# Allegro board com_v1_p3.brd (continued)
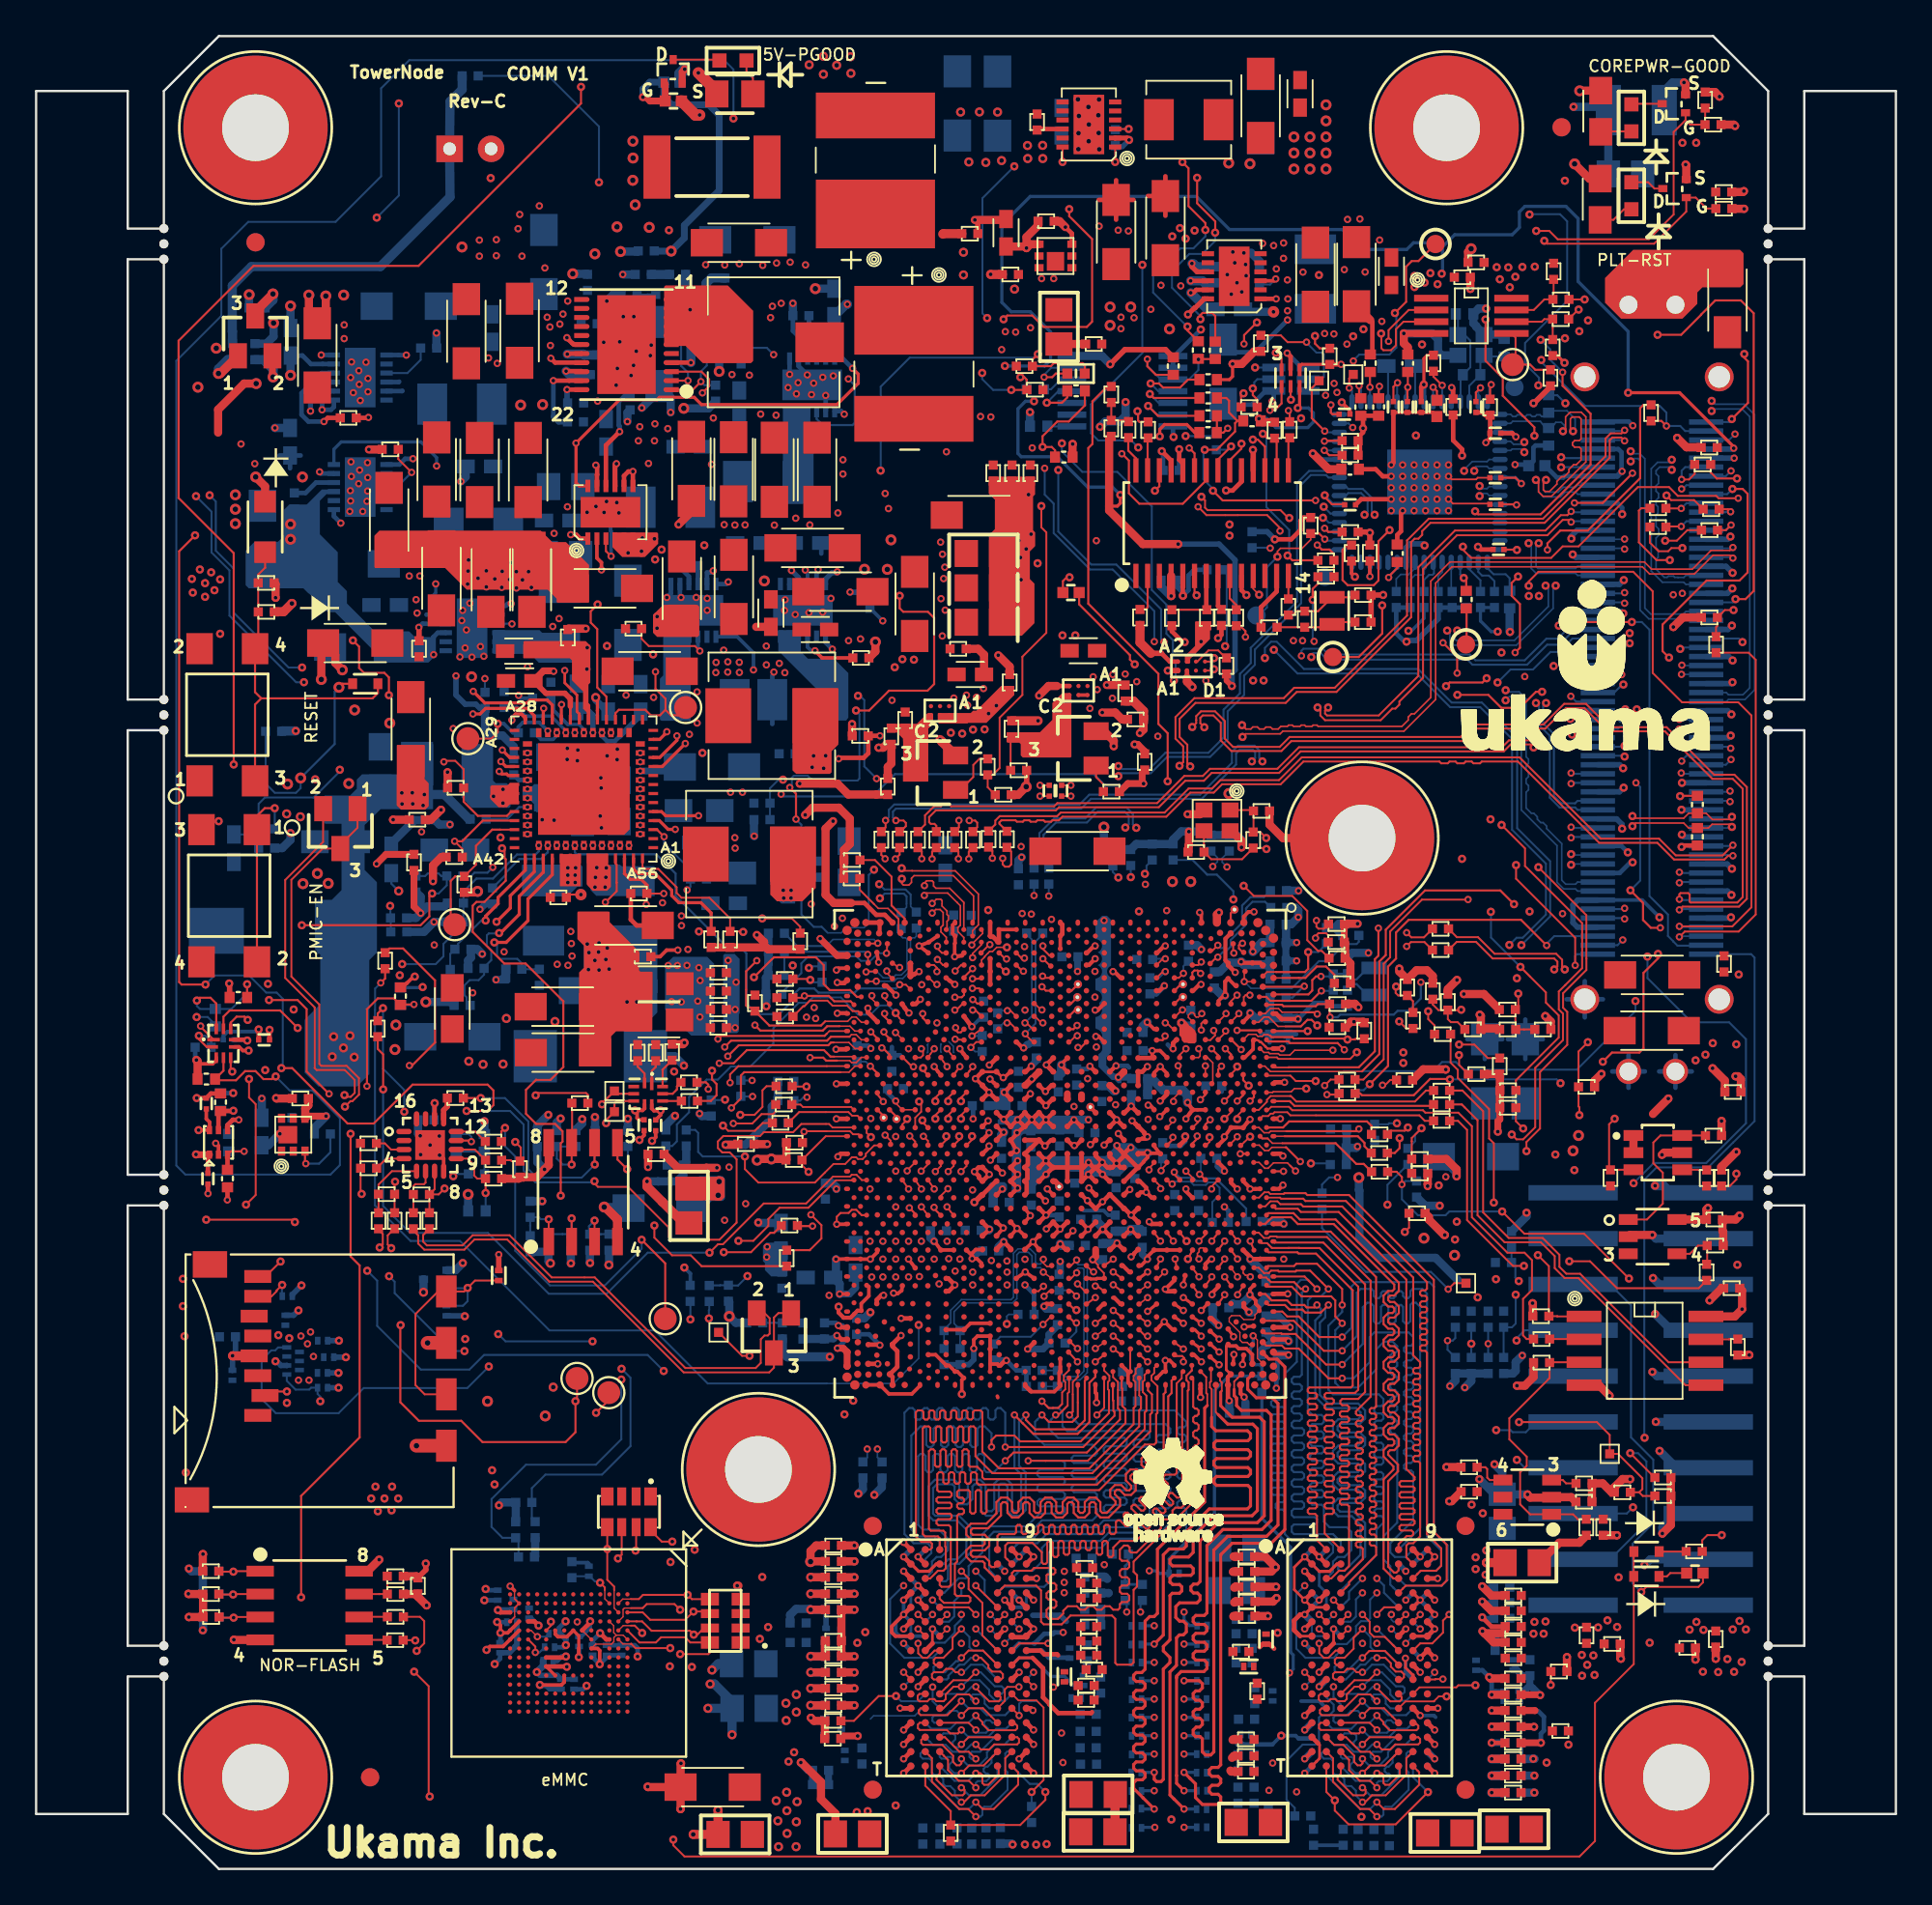
[diagram p0: board, top side]
## Copper pours and planes (outline as drawn; the poured copper is in the pictures) (continued)
GND on BOTTOM: 58.95,42.29 58.95,42.1 58.93,42.06 58.89,42.04 58.84,42.04 58.8,42.06 58.79,42.1 58.75,42.4 58.51,42.58 58.22,42.67 57.95,42.52 57.88,42.48 57.8,42.52 57.33,42.6 57.15,42.16 57.15,42.12 57.14,42.1 57.08,42.04 56.65,42.04 56.65,42.03 56.4,42.03 56.4,42.04 56.32,42.09 56.32,42.18 56.33,42.24 56.34,42.31 56.34,42.34 56.36,42.37 56.36,43.22 56.42,43.28 57.13,43.28 57.33,43.48 57.33,43.63 58.11,43.63 58.13,43.69 58.13,43.75 58.14,43.88 58.16,44.04 58.43,44.06 58.47,44.06 58.62,44.01 58.63,43.98 58.63,43.93 58.6,43.91 58.6,42.92 58.78,42.74 59.6,42.74 59.75,42.59 60.05,42.59 60.12,42.51 60.12,42.08 60.1,42.06 60.1,42.04 59.52,42.04 59.48,42.06 59.46,42.1 59.46,42.29
GND on BOTTOM: 60.96,25.67 60.96,27.98 61.42,28.44 62.6,28.44 62.64,28.41 62.85,28.41 62.85,27.44 62.7,27.28 62.7,27.14 61.78,27.14 61.41,26.78 61.41,25.67
GND on BOTTOM: 81.79,12.78 83.84,12.78 83.97,12.91 83.97,13.86 83.86,13.97 82.57,13.97 82.32,14.22 82.32,15.71 82.14,15.9 81.43,15.9 81.41,15.87 81.41,13.16
GND on BOTTOM: 55.5,42.04 54.46,42.04 54.46,42.64 54.21,42.89 54.21,43.48 54.61,43.48 54.89,43.21 55.37,43.21 55.5,43.07
GND on BOTTOM: 79.76,20.74 80.38,20.12 82.37,20.12 82.85,20.6 82.85,21.13 81.28,22.7 80.06,22.7 79.79,22.7 79.53,22.43 79.53,20.89 79.68,20.74
GND on BOTTOM: 33.12,78.56 33.24,78.44 35.93,78.44 35.96,78.48 35.96,79.32 35.82,79.46 33.18,79.46 33.12,79.41
GND on BOTTOM: 38.88,91.26 36.9,91.26 36.73,91.09 36.73,88.92 36.96,88.69 39.05,88.69 39.19,88.83 39.19,90.94
GND on BOTTOM: 94.56,41.51 93.2,40.15 87.98,40.15 87.14,40.99 87.14,45.57 87.78,46.21 94.35,46.21 94.56,46
GND on BOTTOM: 45.11,45.49 44.99,45.49 44.91,45.56 44.91,46.07 44.93,46.1 46.13,46.1 46.26,46.07 46.38,46.1 48.59,46.1 48.59,45.23 48.21,44.85 46.46,44.85 45.98,45.33 45.14,45.33 45.11,45.36
GND on BOTTOM: 7.75,33.51 7.94,33.7 10.26,33.7 10.41,33.54 10.41,27.29 10.47,27.24 11.1,27.24 11.18,27.16 11.18,20.88 9.84,19.54 7.87,19.54 7.75,19.66
GND on BOTTOM: 21.44,57.8 22.58,57.8 22.96,57.42 22.96,55.82 22.58,55.44 21.31,55.44 20.73,56.03 20.73,57.09
GND on BOTTOM: 81.59,11.13 82.23,11.13 82.49,10.87 83.25,10.87 84.5,12.12 90.53,12.12 94.92,7.74 94.92,3.46 92.47,1 83.83,1 82.08,2.75 82.08,7.08 82.23,7.24 82.36,7.24 83.2,6.41 83.98,6.41 84.43,6.85 84.43,9.09 84.06,9.46 83.07,9.46 82.83,9.69 81.95,9.69 81.79,9.85 81.79,10.53 81.55,10.76 81.55,11.09
GND on BOTTOM: 42.67,8.12 42.8,7.99 44.32,7.99 44.4,7.92 44.4,7.6 44.4,7.59 44.83,7.59 44.83,7.6 44.83,8.41 44.62,8.62 44.18,8.62 43.99,8.81 43.99,9.32 43.98,9.33 42.72,9.33 42.67,9.28
GND on BOTTOM: 10.75,76.55 13.29,76.55 13.54,76.3 13.54,74.39 13.16,74.01 10.87,74.01 10.49,74.39 10.49,76.3
GND on BOTTOM: 42.67,55.19 42.67,53.3 43.36,52.61 44.38,52.61 44.52,52.47 45.62,52.47 45.75,52.6 45.75,55.43 45.67,55.51 44.47,55.51 44.26,55.3 42.77,55.3
GND on BOTTOM: 29.67,49.24 27.54,49.24 27.34,49.05 27.34,48.06 26.65,47.37 23.75,47.37 23.09,46.7 23.09,44.44 23.52,44.01 25.4,44.01 26.49,42.92 29.39,42.92 30.33,43.86 30.33,48.58
GND on BOTTOM: 58.41,34.14 58,34.14 57.99,34.15 57.99,34.87 57.84,35.02 57.84,35.53 57.61,35.76 57.46,35.76 57.3,35.91 57.3,36.57 57.1,36.77 56.36,36.77 56.16,36.58 55.89,36.58 55.36,36.05 54.91,36.05 54.8,36.17 54.8,36.56 54.65,36.71 53.77,36.71 53.77,37.07 53.81,37.1 54.16,37.1 54.22,37.04 55.65,37.04 55.82,37.21 55.82,37.84 55.85,37.86 55.95,37.88 56.01,37.91 57.03,37.91 57.22,38.1 57.22,38.23 57.24,38.25 57.9,38.25 58.04,38.11 58.66,38.11 58.78,37.99 60.15,37.99 60.61,38.45 61.24,38.45 61.46,38.23 62.11,38.23 62.75,37.59 63.18,37.59 63.5,37.9 63.92,37.9 64.19,37.64 64.67,37.64 64.73,37.58 64.73,37.15 61.08,37.15 60.71,37.51 58.81,37.51 58.62,37.33 58.52,37.33 58.09,37.39 57.88,37.02 57.88,36.98 57.88,36.94 57.9,36.92 57.97,36.79 58.09,36.71 58.09,36.7 58.14,36.65 58.14,35.76 58.19,35.71 58.32,35.71 58.5,35.53 58.5,35.39 58.51,35.37 58.5,35.36 58.5,34.24
GND on BOTTOM: 39.72,83.67 39.83,83.56 39.83,81.58 39.7,81.45 38.43,81.45 38.35,81.53 38.35,83.6 38.42,83.67
GND on BOTTOM: 29.09,92.4 29.54,91.94 29.54,90.09 29.31,89.86 28.04,89.86 26.05,87.88 26.05,85.94 25.73,85.61 24.81,85.61 24.68,85.74 24.68,88.25 24.17,88.76 24.17,92.29 24.28,92.4
GND on BOTTOM: 88.46,93.14 88.46,95.21 89.22,95.97 89.22,99.16 89.57,99.52 92.24,99.52 92.63,99.13 92.63,93.41 92.16,92.94 88.66,92.94
GND on BOTTOM: 58.74,13.28 58.74,16.41 58.44,16.71 58.44,16.8 58.27,16.97 58.27,17.44 58.31,17.48 59.66,17.48 59.8,17.34 59.8,14.31 59.33,13.84 59.33,13.3 59.29,13.26 58.76,13.26
GND on BOTTOM: 56.83,2.02 59.35,4.54 59.35,9.92 59.27,10 58.58,10 58.26,10.32 57.83,10.32 57.76,10.25 57.76,9.26 57.85,9.18 58.26,9.18 58.51,8.93 58.51,5.2 56.15,2.84 54.21,2.84 53.99,2.61 53.99,2.6 51.39,2.6 48.34,5.65 47.84,5.65 47.45,5.26 47.45,4.56 48,4.01 48,2.6 48.57,2.02
GND on BOTTOM: 57.79,40.28 57.79,39.78 54.89,39.78 54.89,40.37 54.96,40.44 57.63,40.44
GND on BOTTOM: 74.55,78.66 74.55,75.25 74.84,74.96 78.46,74.96 78.81,75.31 78.81,78.66 78.6,78.88 74.77,78.88
GND on BOTTOM: 17.19,81.03 17.19,84.27 17.79,84.87 17.79,87.75 17.92,87.88 19.67,87.88 20.06,87.48 20.06,85.66 18.82,84.42 18.82,83.65 18.91,83.56 19.73,83.56 19.73,83.56 19.73,83.29 18.84,83.29 18.81,83.28 18.76,83.23 18.76,81.03
GND on BOTTOM: 41.43,62.07 38.38,62.07 38.15,61.84 38.15,60.34 37.37,59.56 37.01,59.56 36.88,59.43 36.88,58.08 37.26,57.7 37.26,56.53 37.95,55.85 38.03,55.85 38.22,55.66 38.22,53.69 38.29,53.62 38.29,52.88 38.35,52.81 39.28,52.81 39.93,53.46 39.93,55.82 39.14,56.61 39.14,58.5 39.44,58.79 39.99,58.79 40.01,58.82 40,58.83 40,59.83 41.48,61.31 41.48,62.02
GND on BOTTOM: 39.19,12.14 39.19,7.44 38.88,7.13 37.31,7.13 36.89,7.55 36.89,11.84 37.27,12.22 39.11,12.22
GND on BOTTOM: 75.22,1.95 75.24,1.97 75.24,2.44 73.93,2.45 73.74,2.63 73.74,2.98 73.54,3.18 71.48,3.18 71.13,3.53 71.13,5.37 70.82,5.69 70.17,5.69 69.97,5.49 69.97,4.95 70.36,4.56 70.36,3.28 70.38,3.26 70.38,2.66 70.24,2.52 69.21,2.52 68.94,2.79 67.01,2.79 66.85,2.94 66.85,7.25 66.83,7.28 66.83,10.98 66.77,11.04 66.77,14.21 66.47,14.51 66.47,18.46 66.29,18.64 65.01,18.64 64.87,18.51 64.87,14.68 64.92,14.64 65.53,14.64 65.7,14.47 65.7,14.05 66.18,13.57 66.18,2.1 66.33,1.95
GND on BOTTOM: 16.45,57.24 16.45,54.37 16.25,54.16 13.89,54.16 12.32,52.58 12.32,50.98 11.77,50.44 8.15,50.44 7.84,50.75 7.84,54.68 9.47,56.3 11.48,56.3 12.27,55.52 13.93,55.52 14.77,56.36 14.77,57.39 15.06,57.68 16.01,57.68
GND on L2_GND1: 7.8,98.17 10.57,100.94 88.36,100.94 88.47,100.82 92.7,100.82 95.08,98.44 95.08,3.39 92.47,0.78 10.49,0.78 7.8,3.47
GND on L4_PWR1: 74.63,82.55 49.35,82.55 48.99,82.91 48.99,89.54 49.62,90.17 74.39,90.17 75.02,89.54 75.02,82.94
GND on L6_SIG3: 80.74,35.56 80.1,36.2 80.1,45.72 78.2,47.63 74.39,47.63 73.44,46.67 71.45,46.67 71.36,46.71 71.32,46.79 71.29,46.89 71.23,46.99 71.2,47.07 71.23,47.16 71.27,47.2 71.38,47.17 71.39,47.13 71.7,46.88 72.02,47.12 71.89,47.49 71.5,47.47 71.39,47.44 71.3,47.52 71,47.72 70.69,47.52 70.67,47.33 70.76,47.16 70.79,47.07 70.76,46.99 70.7,46.89 70.67,46.79 70.63,46.71 70.54,46.67 66.16,46.67 65.91,46.78 65.67,46.67 65.52,46.67 65.25,46.81 64.99,46.67 64.85,46.67 64.57,46.83 64.29,46.67 63.02,46.67 62.92,46.72 62.9,46.83 62.57,47.23 62.25,46.83 62.23,46.72 62.13,46.67 60.74,46.67 60.42,46.99 60.42,52.71 61.05,53.34 64.23,53.34 65.51,54.62 65.51,63.49 64.23,64.77 55.34,64.77 53.43,66.68 45.18,66.68 44.54,67.31 44.54,69.22 53.45,78.12 53.45,78.23 57.13,81.92 69.94,81.92 70.58,81.28 70.58,72.39 72.48,70.49 91.53,70.49 92.17,69.85 92.17,62.23 94.71,59.69 94.71,36.2 94.07,35.56
GND on L9_GND2: 7.8,98.12 7.83,98.12 10.65,100.94 88.36,100.94 88.47,100.82 92.59,100.82 95.08,98.33 95.08,3.37 92.49,0.78 10.52,0.78 7.8,3.51
V1P0_A on TOP (solid shape): 44.45,65.42 44.45,62.5 44.45,62.5 44.45,62.33 44.45,62.33 44.08,61.95 44.08,60.79 43.99,60.7 42.12,60.7 41.91,60.9 41.91,65.43 41.94,65.45 44.43,65.45
V1P0_A on TOP (solid shape): 54.2,65.52 54.2,65.07 52.66,63.53 51.65,63.53 51.61,63.49 50.04,63.49 49.96,63.57 49.96,64.05 49.99,64.08 51.79,64.08 51.92,64.21 52.1,64.21 53.47,65.58 54.15,65.58
V1P0_A on TOP: 58.35,65.2 57.74,65.2 57.66,65.12 57.66,63.89 57.78,63.77 59.61,63.77 59.9,63.47 60.73,63.47 60.73,63.47 60.73,63.98 60.73,63.98 60.27,63.98 59.92,64.33 58.76,64.33 58.42,64.66 58.42,65.12
V1P0_A on BOTTOM: 33.86,60.7 34.16,60.7 34.53,60.33 36.54,60.33 36.54,61.72 36.46,61.81 34.6,61.81 33.78,60.99 33.78,60.78
V1P0_A on L4_PWR1: 59.78,42.74 59.67,42.83 59.67,43.33 60.18,43.84 60.44,43.84 66.13,49.53 66.13,52.07 69.31,55.25 69.31,69.85 65.5,73.66 60.42,73.66 56.61,77.47 54.07,77.47 52.8,76.2 52.8,69.85 54.08,68.57 56.62,68.57 57.88,67.31 57.88,64.77 58.08,64.57 58.49,64.57 58.75,64.31 59.13,64.31 59.26,64.18 59.26,62.98 59.15,62.87 53.43,62.87 52.44,63.86 52.44,64.38 53.16,65.11 53.16,65.8 52.63,66.34 49.93,66.34 43.27,59.69 34.67,59.69 33.71,60.65 33.4,60.65 33.33,60.73 33.33,61.06 33.53,61.26 36.59,61.26 39.46,64.14 41.37,64.14 42.64,65.41 42.64,66.68 41.37,67.95 40.1,67.95 39.46,68.58 39.46,75.57 40.1,76.2 43.91,76.2 49.62,81.92 71.85,81.92 72.48,81.28 72.48,74.93 73.12,74.3 73.12,71.76 76.93,67.95 76.93,51.44 70.58,45.09 70.58,41.91 69.94,41.28 60.42,41.28 59.78,41.91
V1P0_S on TOP: 51.56,65.27 52.02,65.73 52.02,67.17 51.81,67.38 51.31,67.38 51.31,67.89 52.33,67.89 52.84,67.38 52.84,66.85 53.02,66.67 53.02,65.61 51.7,64.29 50.06,64.29 49.96,64.39 49.96,65.2 50.04,65.27
V1P0_S on TOP: 58.66,57.25 58.5,57.08 58.5,55.73 58.59,55.65 61.47,55.65 61.81,55.32 61.81,55.01 61.58,54.79 61.25,54.79 61.14,54.68 61.14,54.34 61.34,54.15 64.9,54.15 65.16,53.88 65.16,52.36 65.28,52.24 65.71,52.24 65.83,52.36 65.83,55.06 65.77,55.11 65.17,55.11 64.4,55.88 63.56,55.88 63.34,56.1 63.34,57.15 63.24,57.25
V1P0_S on BOTTOM: 49.46,48.08 49.46,51.67 50.03,52.25 53.06,52.25 53.25,52.06 53.25,51.36 52.85,50.96 52.85,48.03 52.62,47.8 51.93,47.8 51.57,47.44 51.57,45.12 51.81,44.87 52.59,44.87 52.67,44.95 53.72,44.95 53.8,44.88 53.8,44.01 53.88,43.93 53.88,43.71 53.68,43.51 53.35,43.51 53.06,43.22 53.06,42.98 52.92,42.84 52.62,42.84 52.42,43.04 50.98,43.04 50.4,42.45 48.33,42.45 48.33,41.59 48.93,41.59 49.24,41.27 51.69,41.27 51.92,41.2 52.15,41.27 52.43,41.27 52.64,41.11 52.91,41.12 53.03,41.11 53.09,41.01 53.09,40.61 48,40.61 47.98,40.67 47.63,40.96 47.29,40.67 47.28,40.62 46.6,40.62 46.22,40.62 45.25,41.58 45.24,41.58 44.64,42.18 43.49,42.18 43.16,42.51 43.16,43.25 43.03,43.38 41.76,43.38 41.73,43.4 41.73,46.68 43.14,48.09 44.54,48.09 45.45,47.18 45.47,47.2 48.56,47.2 48.77,47.41 48.78,47.41
V1P0_S on BOTTOM: outline of 126 points within 55.68,44.1 65.97,55.23
V1P0_S on L3_SIG1: 60.51,37.38 60.51,38.6 61.08,39.17 61.08,45.14 61.62,45.69 63.35,45.69 63.35,42.43 62.81,41.89 62.81,41.19 62.53,40.91 62.53,40.07 62.59,40.01 62.59,38.36 62.31,38.08 61.6,38.08 60.74,37.22 60.67,37.22
V1P0_S on L4_PWR1: 43.91,49.53 43.91,59.69 50.26,66.04 52.42,66.04 52.81,65.65 52.81,65.1 52.16,64.46 52.16,63.5 53.43,62.23 53.43,52.07 51.53,50.17 51.53,47.63 49.62,45.72 43.27,45.72 42.41,46.59 42.41,48.03
V1P0_S on L6_SIG3: 60.38,53.98 64.23,53.98 64.86,54.61 64.86,63.5 64.23,64.14 55.34,64.14 53.43,66.04 48.99,66.04 48.35,65.41 48.35,57.79 50.89,55.25 59.11,55.25
V1P0_S on L7_PWR2: 60.2,36.42 60.2,37.88 60.42,38.1 77.57,38.1 78.2,37.47 78.2,35.56 77.56,34.93 62.32,34.93 61.05,36.2 60.42,36.2
V1P0_S on L8_SIG4: 52.45,42.74 53.75,42.74 54.08,43.07 54.08,44.57 53.85,44.8 52.76,44.8 52.53,44.57 52.53,44.44 52.36,44.27 52.09,44.27 51.76,43.94 51.76,43.44
V1P0_SX on BOTTOM (solid shape): 53.93,43.22 53.93,42.12 53.9,42.08 53.06,42.08 53.05,42.07 52.53,42.07 52.53,42.55 53.06,42.55 53.4,42.88 53.4,43.3 53.85,43.3
V1P0_SX on TOP: 57.64,65.97 57.64,65.5 57.69,65.46 58.42,65.46 58.69,65.19 58.69,65.06 59.06,64.68 59.75,64.68 59.85,64.78 59.85,65.32 59.9,65.37 60.96,65.37 61.21,65.62 61.21,65.94 60.63,66.52 60.05,66.52 59.79,66.77 59.79,67.64 59.51,67.92 58.3,67.92 58.28,67.9 58.28,66.6
V1P0_SX on BOTTOM: 32.64,46.48 32.64,43.72 32.77,43.59 35.76,43.59 36.19,44.02 36.19,44.88 35.31,45.76 35.31,46.48 35.21,46.58 32.74,46.58
V1P0_SX on BOTTOM: 38.14,36.76 38.38,37 38.38,38.36 38.09,38.66 37.79,38.66 37.58,38.66 37.51,38.73 37.51,39.12 37.73,39.34 38.81,39.34 39.3,38.84 41.1,38.84 41.72,39.46 44.28,39.46 45.26,38.48 47.93,38.48 48.39,38.93 51.31,38.93 51.34,38.91 53.19,38.91 53.27,38.83 53.27,38.32 53.14,38.2 52.78,38.2 52.68,38.09 52.68,37.97 52.43,37.71 45.26,37.71 44.46,38.52 43.47,38.52 43.25,38.3 43.25,37.9 42.9,37.55 42.9,36.64 43.25,36.29 54.06,36.29 54.67,35.67 56.89,35.67 56.95,35.61 56.95,35.2 56.89,35.14 54.03,35.14 53.92,35.2 53.92,35.33 53.81,35.85 53.29,35.75 53.19,35.7 53.09,35.73 52.93,35.82 52.74,35.82 51.83,35.82 51.67,35.66 51.67,35.13 51.37,35.13 51.19,35.18 51.02,35.13 51.01,35.13 50.59,35.13 50.48,35.15 50.21,35.13 50.19,35.15 50.19,35.66 50.07,35.78 49.21,35.78 49.18,35.75 49.18,35.28 49.1,35.2 46,35.2 45.84,35.05 45.84,34.03 45.75,33.94 43.68,33.94 43.18,33.45 43.18,31.48 42.94,31.24 39.53,31.24 37.71,33.05 37.71,36.68 37.8,36.76
V1P0_SX on L3_SIG1: 52.88,45.09 52.88,47.02 53.89,48.03 59.55,48.03 60.74,46.83 60.74,42.21 60.5,41.97 60.5,41.33 60.29,41.12 59.1,41.12 58.84,41.38 58.84,42.41 57.44,43.81 55.5,43.81 55.49,43.86 54.92,44 55.14,43.46 55.18,43.43 55.2,43.39 55.2,43.36 55.18,43.32 55.13,43.3 54.77,42.9 55.26,42.68 55.3,42.71 55.51,42.5 56.44,42.5 56.55,42.39 56.55,41.43 56.53,41.42 56.53,41.23 56.29,40.98 55.58,40.98 55.15,40.55 55.15,37.02 55.71,36.46 55.69,36.41 55.81,35.95 56.27,36.11 56.36,36.18 56.48,36.15 56.97,35.65 56.97,35.25 56.65,34.93 52.25,34.93 51.55,35.62 51.55,38.95 51.1,39.4 51.1,44 51.61,44.51 52.3,44.51
V1P0_SX on L4_PWR1: 52.16,50.17 54.07,52.07 54.07,61.6 54.7,62.23 59.15,62.23 59.57,62.65 59.57,64.36 59.05,64.87 58.45,64.87 58.22,65.09 58.22,66.39 58.5,66.68 60.42,66.68 62.32,64.77 62.32,60.96 57.88,56.52 57.88,50.8 55.97,48.9 55.97,43.82 54.7,42.55 53.6,42.55 53.19,42.14 53.19,38.48 52.81,38.1 52.09,38.1 51.53,38.66 51.53,39.37 49.62,41.28 49.62,45.09 52.16,47.63
V1P0_SX on L5_SIG2: 55.21,45.09 49.66,45.09 49.48,44.91 49.48,43.67 48.2,42.39 48.2,40.8 53.8,35.19 59.42,35.19 61.05,36.83 61.05,41.28 60.42,41.91 59.48,41.91 59.15,41.58 59.15,39.75 58.77,39.37 56.74,39.37 56.48,39.62 56.48,42.19 56.12,42.55 55.52,42.55 55.34,42.73 55.34,44.96
V1P0_SX on L7_PWR2: 40.73,32.39 36.85,32.39 36.29,32.95 36.29,38.74 36.67,39.11 41.04,39.11 41.37,38.78 41.37,33.02
V1P0_SX on L8_SIG4: 57.06,34.77 56.75,34.97 56.45,34.77 56.43,34.73 55.58,34.73 55.58,34.79 55.25,35.1 54.92,34.79 54.91,34.73 54.17,34.73 54.17,35.99 54.86,35.99 55.09,35.88 55.33,35.99 55.76,35.99 55.97,35.91 56.18,35.99 56.24,35.99 56.45,36.2 59.14,36.2 59.36,35.97 59.36,34.73 59.3,34.67 57.14,34.67
V1P0_SX on L8_SIG4: 38.24,39.26 38.35,39.26 38.61,39 38.61,38.82 38.44,38.65 33.83,38.65 33.4,39.09 33.4,44.54 33.43,44.56 33.65,44.79 36.04,44.79 36.24,44.59 36.24,42.6 37.88,40.96 37.88,39.63
V1P2_A on BOTTOM (solid shape): 59.52,52.66 59.53,52.66 59.57,52.61 59.57,50.06 59.35,49.74 59.57,49.43 59.57,45.25 59.31,45 59.31,44.55 59.77,44.09 60.1,44.09 60.12,44.06 60.12,44.01 60.15,43.99 60.15,43.56 59.94,43.56 59.76,43.73 59.6,43.73 58.87,44.46 58.87,45.18 59.03,45.31 59.08,45.52 59.05,45.71 58.92,45.85 59.07,46.04 59.05,46.29 58.94,46.47 58.74,46.56 58.7,46.61 58.7,47.2 58.72,47.23 58.74,47.23 59.05,47.5 58.94,47.89 58.91,47.96 58.94,48.04 59.05,48.43 58.74,48.7 58.7,48.75 58.7,49.32 58.74,49.37 59.06,49.7 58.82,50.1 59.07,50.45 58.82,50.81 59.06,51.21 58.74,51.54 58.72,51.55 58.7,51.57 58.7,52.46 59.07,52.84 59.34,52.84
V1P2_A on L6_SIG3: 50.89,54.61 59.15,54.61 59.78,53.98 59.78,52.07 59.15,51.44 43.27,51.44 38.83,55.88 38.83,60.96 35.02,64.77 29.94,64.77 29.32,65.39 27.9,65.39 27.35,64.85 26.65,64.85 26.51,64.98 26.51,66.42 27.4,67.31 43.91,67.31 47.72,63.5 47.72,57.79
V1P2_S on L6_SIG3: outline of 96 points within 29.94,44.39 58.17,64.14
V1P5_LAN on L5_SIG2: 82.01,54.61 81.37,55.25 81.37,70.49 82.03,71.14 82.05,71.24 81.99,71.31 81.86,71.4 81.78,71.54 81.77,71.56 81.37,71.96 81.37,80.01 80.43,80.95 75.99,80.95 75.66,81.28 75.66,82.54 76.22,83.09 84.37,83.09 84.46,83.19 87.72,83.19 88.99,81.92 88.99,62.23 90.27,60.96 92.17,60.96 92.8,60.33 92.8,59.44 92.81,59.45 92.81,59.39 92.8,59.39 92.8,55.25 92.17,54.61
V1P05_S on TOP (solid shape): 38.16,38.24 38.16,37.24 37.98,37.05 35.47,37.05 35.42,37.1 35.42,38.34 35.45,38.37 38.03,38.37
V1P05_S on TOP (solid shape): 42.34,57.78 42.47,57.75 42.6,57.78 43.21,57.78 43.21,54.38 42.47,53.64 41.05,53.64 40.68,54.01 40.68,57.78
V1P05_S on BOTTOM (solid shape): 42.06,55.72 42.06,53.54 42.04,53.51 41.3,53.51 40.74,54.07 40.74,55.8 41.99,55.8
V1P5_S on BOTTOM (solid shape): 53.8,37.94 53.8,37.64 53.65,37.48 53.47,37.48 53.29,37.31 53.29,36.67 52.78,36.67 52.78,37.94 52.91,38.07 53.67,38.07
V1P05_S on BOTTOM (solid shape): 38.17,38.27 38.17,37.15 38.06,37.03 37.44,37.03 37.29,36.88 37.29,35.87 37.27,35.86 35.5,35.86 35.47,35.89 35.47,37.48 35.55,37.56 36.39,37.56 36.65,37.82 36.65,38.3 36.75,38.41 38.03,38.41
V1P05_S on BOTTOM: 60.41,36.5 60.13,36.78 58.94,36.78 58.89,36.82 58.89,37.13 58.99,37.24 60.39,37.24 60.87,36.76 64.62,36.76 64.62,36.75 64.67,36.7 64.67,36.17 64.61,36.1 61.4,36.1 61.22,35.93 60.57,35.93 60.41,36.1
V1P05_S on L4_PWR1: 71.21,40.01 71.21,33.66 70.58,33.02 47.72,33.02 43.91,36.83 37.56,36.83 36.92,37.47 36.92,49.53 40.73,53.34 40.73,57.31 40.2,57.84 37.62,57.84 36.92,57.15 36.92,56.52 36.29,55.88 35.02,55.88 33.91,56.99 33.91,58.67 33.33,58.67 33.23,58.77 33.23,59 33.31,59.09 33.78,59.09 34.02,59.33 42.6,59.33 42.61,59.32 42.72,59.3 42.84,59.32 42.85,59.33 43,59.33 43.27,59.06 43.27,49.53 42,48.26 42,46.36 43.27,45.09 48.35,45.09 48.99,44.45 48.99,41.28 50.89,39.37 50.89,38.74 52.17,37.47 53.43,37.47 54.07,36.83 56.61,36.83 60.42,40.64 70.58,40.64
V1P5_S on L4_PWR1: 33.26,62.72 23.91,62.72 23.59,63.04 23.59,66.21 24.06,66.68 33.11,66.68 33.75,66.04 33.75,63.21
V1P5_S on L6_SIG3: outline of 91 points within 23.12,34.29 79.47,66.47 ; 1 cut-out
V1P8_A on BOTTOM (solid shape): 26.28,50.13 26.28,49.17 26.19,49.08 25.4,49.08 25.28,49.19 25.28,49.4 25.38,49.51 25.71,49.51 25.77,49.57 25.77,50.13 25.78,50.13 26.28,50.13
V1P8_A on TOP: 64.66,98.08 64.66,94.32 65.18,93.79 71.73,93.79 71.99,94.06 71.99,97.95 71.78,98.15 64.74,98.15
V1P8_A on TOP: 79.6,21.17 79.6,20.66 79.31,20.36 79.31,20.05 80,19.35 81.8,19.35 81.81,19.36 81.81,20.91 81.8,20.91 80.74,20.91 80.48,21.17 79.6,21.17
V1P8_A on TOP: 91.7,10.77 91.9,10.57 94.59,10.57 94.86,10.84 94.86,11.81 94.13,12.54 91.73,12.54 91.7,12.51
V1P8_A on TOP: 34.02,42.67 34.02,42.07 34.18,41.9 34.18,41.37 34.19,41.37 34.58,41.37 34.85,41.64 34.85,42.2 34.77,42.28 34.28,42.28 34.26,42.31 34.26,42.66 34.25,42.67
V1P8_A on TOP: 21.8,51.28 21.8,49.73 22.02,49.5 22.03,49.5 22.03,48.41 22.36,48.08 23.54,48.08 23.69,48.24 23.69,49.54 23.88,49.72 24.94,49.72 25.05,49.83 25.05,50.94 24.89,51.09 24.66,51.09 24.21,51.54 22.05,51.54
V1P8_A on TOP: 85.5,12.76 85.43,12.69 85.43,10.5 85.48,10.45 87.08,10.45 87.15,10.52 87.15,12.73 87.12,12.76
V1P8_A on BOTTOM: 64.66,98.23 64.66,94.32 65.18,93.79 71.73,93.79 71.99,94.06 71.99,97.95 71.67,98.26 64.68,98.26
V1P8_A on BOTTOM: outline of 85 points within 59.69,38.04 79.04,43.9
V1P8_A on L3_SIG1: 17.78,21.63 17.78,19.49 18.22,19.05 20.74,19.05 21.15,19.47 21.15,21.71 20.86,22.01 18.16,22.01
V1P8_A on L4_PWR1: 17.24,31.12 14.7,33.66 14.7,43.23 15.29,43.82 20.07,43.82 21.05,44.79 21.05,53.34 21.68,53.98 22.95,53.98 28.03,48.9 29.3,48.9 30.57,50.17 30.57,55.25 31.21,55.88 34.38,55.88 35.02,55.24 36.93,55.24 37.57,55.87 37.57,57.14 37.98,57.55 39.96,57.55 40.1,57.41 40.1,53.34 36.29,49.53 36.29,36.83 36.92,36.2 43.91,36.2 46.45,33.66 47.72,32.39 71.21,32.39 71.85,33.02 71.85,36.2 72.48,36.83 75.66,36.83 76.29,37.47 76.29,44.45 76.93,45.09 82.64,45.09 83.28,45.72 83.28,87.63 78.83,92.08 65.5,92.08 64.23,93.35 64.23,99.7 65.38,100.84 92.29,100.84 95.13,98.01 95.13,11.21 94.07,10.16 82.01,10.16 80.74,11.43 80.74,17.78 76.93,21.59 45.18,21.59 44.54,22.23 44.54,24.77 42.64,26.67 37.56,26.67 35.02,24.13 35.02,22.23 34.38,21.59 24.86,21.59 22.32,19.05 17.88,19.05 17.24,19.69
V1P8_A on L7_PWR2: 33.75,58.42 33.75,60.96 33.58,61.13 33.86,61.13 33.86,61.14 33.38,61.14 33.31,61.21 33.31,61.58 33.75,61.58 33.75,62.23 31.84,64.14 30.7,64.14 30.57,64.26 30.57,65.16 30.82,65.41 33.74,65.41 40.1,59.06 40.1,56.52 39.46,55.88 35.65,55.88 35.02,56.52 35.02,57.15
V1P8_A on L8_SIG4: 62.83,41.66 61.82,40.64 61.82,40.33 61.75,40.26 59.15,40.26 59.02,40.39 59.02,42.04 57.75,43.31 57.75,44.58 57.88,44.7 62.58,44.7 62.83,44.45
V1P8_IFSUP on L7_PWR2: 29.3,61.4 28.62,60.71 28.58,60.72 28.29,60.63 28.2,60.34 28.21,60.3 28.06,60.15 27.04,60.15 26.88,59.99 26.88,58.85 25.57,57.55 22.55,57.55 22.18,57.93 22.18,58.77 25.33,61.92 25.44,61.96 25.53,61.88 25.55,61.85 25.57,61.82 25.6,61.73 25.55,61.64 25.43,61.42 25.5,61.18 25.53,61.08 25.49,61 25.68,60.42 25.96,60.96 25.93,61.05 25.98,61.14 26.09,61.35 26.02,61.59 25.99,61.68 26.04,61.76 26.16,62.06 25.97,62.32 25.9,62.41 25.93,62.53 26.7,63.29 26.72,63.29 26.93,63.5 28.67,63.5 29.3,62.87
V1P8_S on TOP: 53.23,83.56 53.12,83.45 53.12,81.54 53.64,81.02 55.65,81.02 55.75,81.12 55.75,81.45 56.05,81.75 56.05,82.25 56.05,82.25 55.54,82.25 55.54,82.25 55.54,81.74 55.4,81.6 53.89,81.6 53.67,81.82 53.67,82.16 53.95,82.44 53.95,82.94 54.07,83.05 54.56,83.05 54.57,83.06 54.57,83.55 54.57,83.56
V1P8_S on TOP: 24.87,22.23 25.09,22.45 34.43,22.45 34.49,22.39 34.49,20.23 34.4,20.14 26.32,20.14 25.99,19.81 25.1,19.81 24.87,20.03
V1P8_S on TOP: 12.93,39.53 12.87,39.59 12.87,41.9 12.91,41.94 14.42,41.94 14.5,41.86 14.5,39.56 14.46,39.53
V1P8_S on TOP: 83.23,40.31 83.23,36.37 83.39,36.21 87.34,36.21 87.5,36.37 87.5,38.11 87.49,38.12 86.79,38.12 86.63,38.27 86.63,38.77 86.36,39.04 85.09,39.04 84.64,39.48 84.64,40.32 84.37,40.59 83.51,40.59
V1P8_S on TOP: 78.84,87.46 78.26,86.88 76.36,86.88 76.11,87.12 76.11,88.41 76.45,88.75 78.7,88.75 78.84,88.61
V1P8_S on TOP: 64.16,66.55 64.16,66.23 64.19,66.19 64.19,66.09 64.76,65.52 65.6,65.52 65.88,65.24 66.63,65.24 66.78,65.39 66.78,66.43 66.71,66.5 65.71,66.5 65.7,66.49 65.7,66.4 65.42,66.12 64.64,66.12 64.46,66.3 64.46,66.56 64.43,66.59 64.19,66.59
V1P8_S on TOP: 38.51,16.2 38.51,12.09 38.67,11.93 40.77,11.93 41.07,12.23 41.07,16.3 40.72,16.65 38.97,16.65 38.52,16.2
V1P8_S on TOP: 39.67,48.19 40.09,48.19 40.22,48.06 40.22,47.66 40.87,47.01 41.27,47.01 41.3,47.04 41.3,49.52 41.23,49.59 40.6,49.59 39.63,48.62 39.63,48.23
V1P8_S on TOP: 92.94,78.42 93.4,77.97 94.82,77.97 95.15,78.3 95.15,78.65 94.56,79.24 92.99,79.24 92.94,79.19
V1P8_S on BOTTOM: 61.15,28.65 60.5,28 60.5,25.69 60.48,25.68 59.81,25.68 59.78,25.71 59.78,28.44 60.14,28.8 60.14,33.98 60.3,34.14 60.3,34.15 60.98,34.15 61.15,33.98
V1P8_S on BOTTOM: 72.98,38.54 72.98,34.31 73.89,33.39 77.65,33.39 78.59,32.45 78.59,31.46 78.31,31.18 78.31,30.72 78.36,30.67 78.67,30.67 78.67,30.67 81.57,30.67 81.59,30.69 81.59,32.09 81.12,32.55 81.12,35.75 80.74,36.13 78.48,36.13 78.14,35.79 75.91,35.79 74.88,36.81 74.88,36.84 74.59,37.12 74.59,37.99 75.15,38.54 75.15,40.41 74.92,40.64 73.75,40.64 73.71,40.61 73.71,39.28
V1P8_S on BOTTOM: 27.1,13.67 27.52,13.25 27.93,13.25 28.08,13.4 28.08,13.81 28.29,14.03 28.33,14.07 28.7,14.07 29.3,13.48 30.12,13.48 30.19,13.54 30.19,13.89 29.58,14.5 28.13,14.5 27.71,14.08 27.21,14.08 27.13,14.08 27.1,14.05
V1P8_S on BOTTOM: 48.39,37.31 48.52,37.35 48.63,37.44 48.64,37.45 48.68,37.47 48.72,37.47 48.76,37.45 48.77,37.44 49.03,37.31 49.3,37.4 49.38,37.43 49.46,37.4 49.6,37.32 49.76,37.31 49.92,37.34 50.05,37.44 50.06,37.45 50.1,37.47 50.86,37.47 50.9,37.45 50.91,37.44 51.12,37.32 51.36,37.35 51.37,37.36 51.59,37.36 51.65,37.3 52.45,37.3 52.45,36.64 51.11,36.64 50.83,36.93 50.79,36.94 50.76,36.96 50.47,37.08 50.19,36.94 50.1,36.9 50,36.93 49.76,37.03 49.53,36.94 49.43,36.91 49.34,36.95 49.06,37.08 48.77,36.95 48.69,36.91 48.6,36.93 48.36,37 48.14,36.9 48.04,36.86 47.95,36.92 47.69,37.08 47.39,37 47.02,36.62 43.55,36.62 43.36,36.81 43.36,37.26 43.49,37.38 43.99,37.38 44.03,37.34 44.03,37.33 44.07,37.33 45.19,37.33 45.32,37.47 45.88,37.47 45.92,37.45 45.93,37.44 46.15,37.32 46.41,37.36 46.42,37.37 46.56,37.51 48.19,37.51
V1P8_S on L3_SIG1: 60.28,33.43 61.62,33.43 61.83,33.64 61.83,34.78 63.21,36.16 71.81,36.16 75.19,32.78 84.54,32.78 85.25,33.49 85.92,34.16 85.92,38.75 83.97,40.69 82.57,40.69 79.23,37.36 78.23,36.36 76.34,36.36 75.72,36.98 75.71,36.98 75.19,36.98 74.21,37.96 74.21,38.49 73.92,38.77 71.88,38.77 71.14,38.04 62.14,38.04 61.03,36.93 61.03,34.94 60.16,34.07 60.16,33.55
V1P8_S on L4_PWR1: 75.66,88.29 75.66,82.55 73.12,80.01 73.12,74.93 73.75,74.3 73.75,72.39 77.56,68.58 77.56,51.42 71.21,45.11 71.21,40.64 71.85,40.01 71.85,38.1 72.18,37.77 75.33,37.77 75.66,38.1 75.66,45.08 76.3,45.72 82.01,45.72 82.64,46.36 82.64,87.63 81.37,88.9 76.27,88.9
V1P8_S on L5_SIG2: 40.73,48.26 41.37,47.63 41.37,38.74 40.73,38.1 40.73,31.12 39.46,29.85 23.59,29.85 22.95,30.48 22.95,36.2 21.68,37.47 21.68,44.45 26.13,48.9 36.92,48.9 37.56,48.26
V1P8_S on L5_SIG2: 91.86,12.04 90.87,13.04 90.87,15.75 90.92,15.75 92.28,17.11 92.28,27.68 90.67,29.29 90.67,32.4 89.99,33.08 89.99,34.81 89.58,35.22 88.69,35.22 87.28,36.63 87.28,41.36 88.04,42.12 88.06,42.12 91.13,45.2 92.97,45.2 92.97,45.16 93.83,44.3 93.83,39.7 93.46,39.34 93.46,38.04 94.22,37.29 94.82,37.29 95.34,36.76 95.34,12.4 94.99,12.04